# Altium PCB Pleiades_PP.PcbDoc (part 12 of 15)
Units mil, origin at the board's own origin, x right, y up, seen from the top; angles counter-clockwise.
Board outline 12244.09 x 4515.28 mil, 12 copper layers (TOP, GND1, IN1, GND2, POW1, GND3, POW2, GND4, GND5, IN2, GND6, BOT), stack 63.546 mil thick; 1447 components, 738 nets, 4532 pads, 3316 vias.
Unrouted connection lines stored in the file: 499.
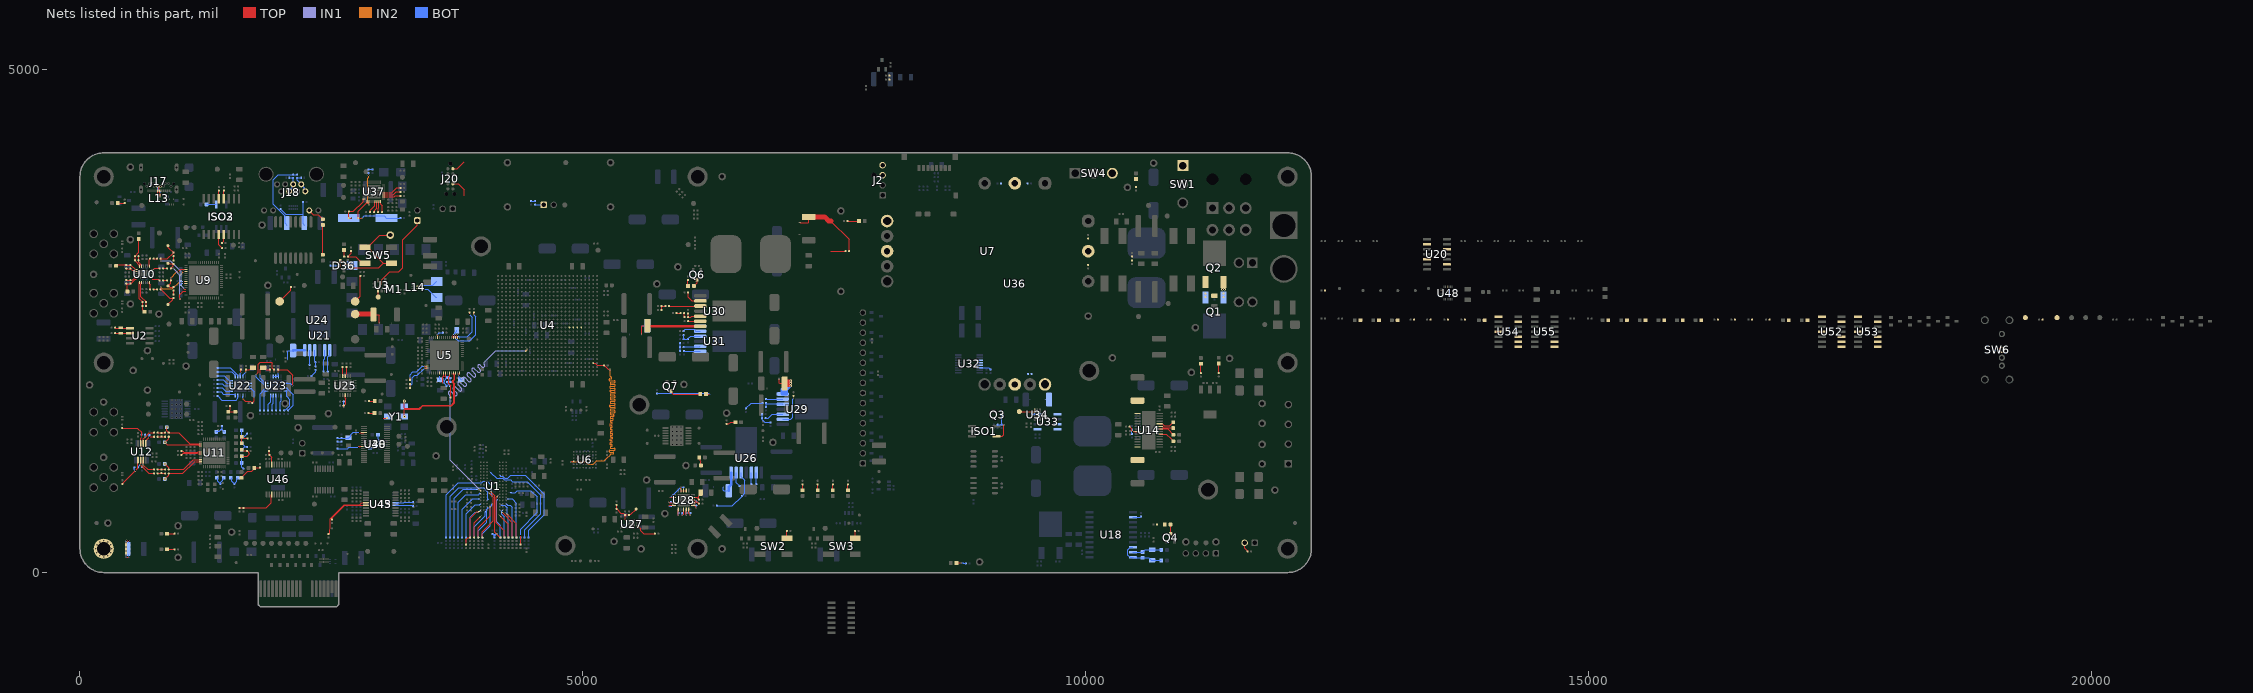
[diagram p22: the nets of this part, all layers, seen from the top]

## Via types
v1: diameter 12/18/18/18/18/18/18/18/18/18/18/12 (per signal layer), hole 6, TOP to BOT, 2739 vias
v2: diameter 20, hole 10, TOP to BOT, 363 vias
v3: diameter 19.68, hole 7.87, TOP to BOT, 110 vias
v4: diameter 40, hole 20, TOP to BOT, 36 vias
v5: diameter 25, hole 12, TOP to BOT, 32 vias
v6: diameter 22, hole 12, TOP to BOT, 27 vias
v7: diameter 19.68, hole 11.81, TOP to BOT, 9 vias

## Nets (pads, with @x,y where several pads share a name; then routed paths per layer and width w, separated by ;. In a path a pad name is that pad's centre, name@x,y a point inside that pad or via, vN(x,y) a via of type N, cw(c..) or ccw(c..) an arc to the next point about the centre after c; other vN are vias at no path point) (continued)
NetC4_1: C4.1 MT5.1 R10.1 R11.1 R12.1 | length 266.5
  TOP w8.89: R12.1@457.5,193.53 R11.1@457.5,235 R10.1@457.5,275
  TOP w10: v1(457.5,171.03) R12.1@457.5,193.53 ; R10.1@457.5,275 v1(457.5,297.5) ; v1(460,152.5) v1(485,152.5) ; v1(460,317.5) v1(485,317.5)
  BOT w10: v1(460,152.5) C4.1@460,175 ; C4.1@460,295 v1(460,317.5) ; v1(485,152.5) C4.1@485,175 ; C4.1@485,295 v1(485,317.5)
  other v1: 457.5,214.26 457.5,255
  other v2: 236.22,156.22 196.22,166.94 276.22,166.94 166.94,196.22 305.5,196.22 156.22,236.22 316.22,236.22 167.19,276.33 305.5,276.22 196.22,305.5 276.22,305.5 236.22,316.22
NetC93_1: C93.1 R37.2 R42.2 | length 130.4
  BOT w10: 4118.36,364.14 4109.18,373.32 ; C93.1@4120,347.5 4120,362.5 4130,372.5 ; 4109.18,373.32 R42.2@4100,382.5 R37.2@4140,382.5 4130,372.5 ; 4109.18,373.32 4129.18,373.32 4130,372.5
NetC99_1: C99.1 U2.1 X1.1 | length 147.1
  TOP w10: C99.1@350,2435 355,2430 U2.1@495,2430
NetC103_1: C103.1 U2.2 X1.2 | length 145
  TOP w10: C103.1@350,2380 U2.2@495,2380
NetC150_1: C150.1 R72.1 U5.40 | length 212.7
  TOP w10: v1(3610,1880) 3610,1880.54 3608,1882.54 3608,1941.67 3608.47,1942.14 3608.47,1946.4 3615.14,1953.07 U5.40@3615.14,1973.07
  BOT w10: R72.1@3645,1855 3620.38,1879.62 3610.38,1879.62 v1(3610,1880) 3626.44,1896.44 3626.44,1913.94 C150.1@3647.5,1935
NetC150_2: C150.2 C151.2 U5.41 | length 148.7
  TOP w10: v1(3625.5,1939.38) 3625.5,1939.93 3629.5,1943.93 3629.5,1945.38 3634.5,1950.38 U5.41@3634.5,1973.07
  BOT w10: v1(3625.5,1939.38) 3625.88,1939.77 3625.88,1941.77 3637.12,1953 3664.5,1953 C150.2@3682.5,1935 C151.2@3682.5,1895
NetC151_1: C151.1 R72.2 | length 53.5
  BOT w10: C151.1@3647.5,1895 3661.15,1881.35 3661.15,1873.85 R72.2@3680,1855
NetC158_1: C158.1 U5.38 | length 67.6
  TOP w10: v1(3575.79,1961.32) U5.38@3575.79,1983.82
  BOT w10: v1(3575.79,1961.32) 3575.79,1922.21 C158.1@3580,1918
NetC159_1: C159.1 U5.4 | length 87.7
  TOP w10: U5.4@3713.58,2336.18 v1(3713.58,2358.68)
  BOT w10: v1(3713.58,2358.68) 3713.97,2359.06 3713.97,2366.97 3747,2400 C159.1@3747,2410
NetC160_1: C160.1 U5.48 | length 73.2
  TOP w10: v1(3772.64,1961.32) U5.48@3772.64,1983.82
  BOT w10: v1(3772.64,1961.32) 3772.64,1934.96 3789.6,1918 C160.1@3790,1918
NetC227_1: C227.1 Q2.1 R85.1
NetC235_2: C235.2 U9.25 | length 49.7
  TOP w6: v1(1027.5,2894.69) U9.25@1050,2894.69
  BOT w6: C235.2@1002.5,2900 1006.67,2895.83 1026.35,2895.83 v1(1027.5,2894.69)
NetC236_2: C236.2 U9.26 | length 53.7
  TOP w6: v1(1027.5,2875) U9.26@1050,2875
  BOT w6: C236.2@1002.5,2860 1017.4,2874.9 1027.4,2874.9 v1(1027.5,2875)
NetC238_1: C238.1 R96.2 TP48.1 U9.29 | length 721.6
  TOP w6: v1(802.5,3097.5) R96.2@802.5,3120 870,3120 C238.1@930,3180 879.59,3230.41 879.59,3245.41 TP48.1@875,3250 ; v1(1031.32,2816.42) U9.29@1053.82,2816.42
  IN1 w6: v1(802.5,3097.5) 897.5,3097.5 1006.67,2988.33 1006.67,2851.36 1031.32,2826.71 v1(1031.32,2816.42)
NetC238_2: C238.2 C239.1 | length 42.5
  TOP w6: C239.1@930,3102.5 C238.2@930,3145
NetC239_2: C239.2 R102.2 TP51.1 U9.30 | length 581.3
  TOP w6: TP51.1@875,3075 878.75,3071.25 926.25,3071.25 C239.2@930,3067.5 926,3063.5 926,3048.5 R102.2@902.5,3025 v1(925,3025) ; v1(993.5,2720.76) 993.5,2761.16 1029.07,2796.73 U9.30@1053.82,2796.73
  IN1 w6: v1@925.92,3024.08 993.5,2956.5 v1(993.5,2720.76)
NetC254_1: C254.1 R107.2 TP52.1 U9.19 | length 335.9
  TOP w6: v1(902.5,2927.5) R107.2@902.5,2905 902.5,2877.5 TP52.1@875,2850 881.49,2850 893.99,2837.5 C254.1@930,2837.5 ; v1(978.3,2990.65) 1000.91,3013.27 U9.19@1053.82,3013.27
  IN2 w6: v1(902.5,2927.5) 963.36,2988.36 976,2988.36 v1(978.3,2990.65)
NetC254_2: C254.2 C255.1 | length 40.1
  TOP w6: C255.1@929.69,2762.5 929.84,2762.66 929.84,2802.34 C254.2@930,2802.5
NetC255_2: C255.2 R113.2 TP54.1 U9.20 | length 636.3
  TOP w6: v1(802.5,2837.5) R113.2@802.5,2815 890,2727.5 C255.2@929.69,2727.5 923.92,2721.73 923.92,2713.92 TP54.1@875,2665 ; v1(1031.32,2993.58) U9.20@1053.82,2993.58
  IN2 w6: v1(802.5,2837.5) 820,2820 917.15,2820 990.64,2893.5 990.64,2952.91 v1(1031.32,2993.58)
NetC291_1: C291.1 L9.2 R115.1 | length 75
  TOP w6: R115.1@772.5,985 L9.2@847.5,985
NetC291_2: C291.2 L10.2 R117.1 | length 75
  TOP w6: R117.1@772.5,1025 L10.2@847.5,1025
NetC292_1: C292.1 L11.2 R122.1 | length 75
  TOP w5.95: R122.1@772.5,1390 L11.2@847.5,1390
NetC292_2: C292.2 L12.2 R124.1 | length 75
  TOP w5.95: R124.1@772.5,1350 L12.2@847.5,1350
NetC293_1: C293.1 R130.2 R131.2 | length 186.7
  TOP w4.33: R130.2@1608.54,1155 1665.01,1155 1684.46,1174.44 1684.46,1188.04 1662.31,1210.19 1618.35,1210.19 R131.2@1608.54,1220
NetC294_1: C294.1 R133.2 R136.2 | length 115.9
  BOT w4.33: R133.2@1608.54,1220 1638.54,1250 1643.54,1250 ; R136.2@1608.54,1285 1643.54,1250 ; C294.1@1662.5,1250 1643.54,1250
NetC295_1: C295.1 R134.2 R137.2 | length 226.9
  TOP w10: R134.2@1605,941.46 1668.54,1005 1708.54,1005 1746.04,1042.5 C295.1@1790,1042.5
NetC296_1: C296.1 R135.2 R138.2 | length 131.4
  BOT w4.33: R135.2@1608.54,1415 R138.2@1608.54,1350 1632.5,1350 C296.1@1662.5,1380
NetC297_1: C297.1 R139.2 R142.2 | length 146.9
  BOT w10: R139.2@1360,941.46 1369.74,931.71 1369.74,907.76 C297.1@1395,882.5 1397.89,885.39 1397.89,897.89 1418.45,918.45 1418.45,929.9 R142.2@1430,941.46
NetC298_1: C298.1 R140.2 R143.2 | length 129.3
  BOT w10: R143.2@1608.54,1155 R140.2@1608.54,1090 1608.54,1048.96 C298.1@1625,1032.5
NetC299_1: C299.1 R141.2 R144.2 | length 133.7
  TOP w4.33: C299.1@1492.5,1655 1492.5,1618.62 1475,1601.12 R144.2@1475,1598.54 R141.2@1545,1598.54
NetC300_1: C300.1 U11.42 | length 197.3
  TOP w5: C300.1@1007.5,1210 1013.01,1204.49 1025,1204.49 1032.49,1197 1170.95,1197 1173.79,1199.84 U11.42@1198.19,1199.84
NetC301_1: C301.1 R146.2 R149.2 | length 146.9
  BOT w10: R146.2@1500,941.46 1509.74,931.71 1509.74,907.76 C301.1@1535,882.5 1560.26,907.76 1560.26,931.71 R149.2@1570,941.46
NetC302_1: C302.1 R147.2 R150.2 | length 130.2
  TOP w4.33: R147.2@1608.54,1285 R150.2@1608.54,1350 1611.12,1350 1626.12,1335 C302.1@1667.5,1335
NetC303_1: C303.1 R148.2 R151.2 | length 159.8
  BOT w10: R151.2@1355,1398.54 1359.3,1402.84 1382.84,1402.84 1412.5,1432.5 ; R148.2@1435,1398.54 1435,1399.58 1412.5,1422.08 1412.5,1432.5 ; 1412.5,1432.5 1412.5,1450 C303.1@1412.5,1455 1412.5,1432.5
NetC340_1: C340.1 R152.2 R155.1 U14.8 | length 160.2
  TOP w10: C340.1@10437.5,1450 10458.76,1428.74 10458.76,1411.78 10465.98,1404.56 v1(10465.98,1404.02) 10466.1,1403.9 10486.98,1403.9 10488.68,1402.2 U14.8@10514.76,1402.2
  BOT w10: R152.2@10460,1377.5 v1@10460,1409.46 ; R155.1@10460,1422.5 10460.54,1421.96 10460.54,1409.46 v1(10465.98,1404.02)
NetC342_1: C342.1 U14.22 | length 160.2
  TOP w10: U14.22@10735.24,1427.8 10813.7,1427.8 C342.1@10871.5,1370
NetC343_1: C343.1 U14.23 | length 141.8
  TOP w10: U14.23@10735.24,1453.39 10760.64,1453.39 10772.23,1441.8 10864.7,1441.8 C343.1@10870,1436.5
NetC343_2: C343.2 U14.24 | length 156.1
  TOP w10: U14.24@10735.24,1478.98 10760.64,1478.98 10779.11,1460.5 10837,1460.5 C343.2@10870,1493.5
NetC345_1: C345.1 U14.20 | length 167.5
  TOP w10: U14.20@10735.24,1376.61 10802.49,1376.61 10843.5,1335.6 10843.5,1333 C345.1@10871.5,1305
NetC361_1: C361.1 C362.1 FB3.1 U18.19 | length 296.2
  BOT w12: U18.19@10468.06,200 10469.81,201.75 10563.25,201.75 C361.1@10565,203.5 10589.5,228 C362.1@10660,228 10661.5,226.5 10749.96,226.5 FB3.1@10751.46,225
NetC361_2: C361.2 C362.2 FB4.1 U18.18 U18.20 | length 468.6
  BOT w12: U18.18@10468.06,250 10440.56,250 10419.06,228.5 10419.06,171.5 10440.56,150 U18.20@10468.06,150 10469.81,148.25 10563.25,148.25 C361.2@10565,146.5 10625.5,146.5 10650,122 C362.2@10660,122 10661,121 10750.46,121 FB4.1@10751.46,120
NetC398_1: C398.1 U21.6 | length 144.9
  BOT w12: C398.1@2283.49,2064.91 U21.6@2283.49,2209.81
NetC400_1: C400.1 C401.1 U22.14 | length 158.3
  TOP w10: v1(1650,1995) C401.1@1650,2017.5 1690.23,2017.5 1709.73,2037 C400.1@1720,2037
  BOT w10: U22.14@1620.59,1949.49 1620.59,1962.28 1649.62,1991.31 1649.62,1994.62 v1(1650,1995)
NetC403_1: C403.1 C404.1 U23.14 | length 307.7
  TOP w10: v1(1790,1972) 1790,2007 1793.31,2010.31 1793.31,2020.04 1810.27,2037 C403.1@1820,2037 1830.27,2037 1849.77,2017.5 C404.1@1890,2017.5 v1(1890,1995)
  BOT w10: v1(1790,1972) 1790,1932.52 1840.7,1881.82 U23.14@1853.49,1881.82
NetC412_2: C412.2 R218.2 R220.1 U25.3 | length 197
  TOP w10: v1(2622.5,1637.5) C412.2@2622.5,1660 2640.5,1678 2640.5,1728.54 2636.52,1732.53 U25.3@2636.52,1762.93
  BOT w5.95: R218.2@2622.5,1660 R220.1@2622.5,1700
  BOT w10: v1(2622.5,1637.5) R218.2@2622.5,1660
NetC413_1: C413.1 U25.14 | length 91
  TOP w10: C413.1@2610,2042.5 2610.46,2042.04 2610.46,1952.37 U25.14@2610.92,1951.91
NetC429_1: C429.1 U26.6 | length 145.9
  BOT w10: U26.6@6525,993.21 6525,893.31 C429.1@6557.5,860.81
NetC432_1: C432.1 C433.1 R229.2 R230.1 TP88.1 U27.1 | length 344.7
  TOP w8.89: R230.1@5335.12,673.27 R229.2@5335.12,633.27 5376.56,591.82 5401.56,591.82 C433.1@5420.12,573.27
  TOP w10: U27.1@5430,520.14 5423.46,520.14 5420.12,523.49 C433.1@5420.12,573.27 C432.1@5460.12,573.27 5465.12,578.27 5477.62,578.27 TP88.1@5530.12,630.77
NetC456_1: C456.1 C457.1 U28.14 | length 143.6
  TOP w10: U28.14@6095.67,746.24 6131.4,746.24 C457.1@6152.5,725.14 6152.5,765.37 6172,784.87 C456.1@6172,795.14
NetC458_1: C458.1 U29.6 | length 164.9
  BOT w10: C458.1@6822.5,1725 U29.6@6987.4,1725
NetC459_1: C459.1 U30.6 | length 119.9
  TOP w10: C459.1@6047.5,2500 U30.6@6167.4,2500
NetC460_1: C460.1 U31.6 | length 179.9
  BOT w10: C460.1@6002.5,2400 6007.5,2405 6007.5,2406.54 6017.96,2417 6105.65,2417 6122.65,2400 U31.6@6167.4,2400
NetC503_1: C503.1 D36.2 R282.2 R285.2 SW5.1 SW5.4 TP109.1 | length 1268.6
  TOP w10: v1(2570.77,3030) 2588,3047.23 D36.2@2588,3096 2614.28,3096 2680.28,3030 2969.92,3030 3016.18,3076.26 ; SW5.1@2832.13,3233.74 SW5.1@2858.7,3233.74 ; TP109.1@3095,3355 2979.96,3355 SW5.1@2858.7,3233.74 ; SW5.4@3097.87,3076.26 3016.18,3076.26 ; SW5.1@2858.7,3233.74 3016.18,3076.26
  BOT w10: C503.1@2490,3052.5 R282.2@2530,3052.5 R285.2@2570.77,3052.5 v1(2570.77,3030)
NetC507_1: C507.1 R302.2 R303.2 | length 768.5
  BOT w10: C507.1@2056,3455 2039.7,3471.3 2039.7,3540 1919.49,3660.21 1919.49,3904.49 1972.5,3957.5 R302.2@2120,3957.5 R303.2@2160,3957.5
NetC508_1: C508.1 R304.2 R305.2 | length 479
  BOT w10: R305.2@1995,3612.5 2047.5,3560 2217.5,3560 ; R304.2@2217.5,3685 2217.5,3560 ; C508.1@2229,3455 2217.5,3466.5 2217.5,3560
NetC509_1: C509.1 TP113.1 U37.8 X2.2 | length 314.8
  TOP w10: v1(2700,3525) TP113.1@2672.99,3525 2672.75,3525.25 2672.75,3589.75 C509.1@2672.5,3590 2719.04,3590 2814.25,3685.21 2814.25,3715.87 2814.33,3715.94 U37.8@2825,3715.94
NetC510_1: C510.1 TP112.1 U37.9 X2.1 | length 639.3
  TOP w10: v1@2805.38,3524.62 v1(2805,3525) TP112.1@2765,3525 2765,3590.16 2852.56,3677.72 U37.9@2852.56,3688.39
  BOT w10: v1(2805,3525) 2825,3545 3027.01,3545 X2.1@3047.01,3525
  BOT w12: X2.1@3047.01,3525 C510.1@3187.5,3525
NetC530_1: C530.1 R311.2 R313.1 U40.4 | length 297.2
  TOP w10: v1(2778.19,1392.09) U40.4@2822.28,1392.09
  BOT w10: R311.2@2560,1337.5 R313.1@2600,1337.5 C530.1@2667.9,1337.5 ; C530.1@2669.49,1339.09 C530.1@2667.9,1337.5 ; v1(2778.19,1392.09) 2777.65,1392.09 2775.24,1394.5 2715.46,1394.5 2690.77,1369.81 2690.77,1356.05 2672.21,1337.5 C530.1@2667.9,1337.5
NetC537_2: C537.2 U43.5 | length 586.6
  TOP w4.33: C537.2@2470,375.49 2470,381.2 2481.67,392.87 2481.67,427.03 2489.84,435.2 2489.84,536.71 2628.13,675 2781.87,675 2799.67,692.8 U43.5@2842.36,692.8
NetC538_2: C538.2 U43.6 | length 403.4
  TOP w4.33: C538.2@2505,527.5 2505,541.51 2630.69,667.2 U43.6@2842.36,667.2
NetC615_1: C615.1 U48.10
NetD4_1: D4.1 R92.2
NetD5_1: D5.1 R93.2 | length 94.6
  TOP w10: D5.1@8715,95 v1(8760,95)
  BOT w10: v1(8760,95) 8781.44,95 8782.5,93.94 8803.56,93.94 R93.2@8807.5,90
NetD18_1: D18.1 R167.2
NetD18_2: D18.2 Q4.3 | length 93.2
  TOP w12: D18.2@10844.24,476.93 10844.24,384.81 Q4.3@10845,384.06
NetD20_1: D20.1 R172.2 | length 59
  TOP w10: D20.1@7185,818.54 R172.2@7185,877.5
NetD21_1: D21.1 R173.2 | length 59
  TOP w10: D21.1@7335,818.54 R173.2@7335,877.5
NetD23_1: D23.1 R183.2 | length 59
  TOP w10: D23.1@7485,818.54 R183.2@7485,877.5
NetD24_1: D24.1 R184.2 | length 59
  TOP w10: D24.1@7635,818.54 R184.2@7635,877.5
NetD33_1: D33.1 R274.2 | length 95.1
  TOP w10: R274.2@11322.7,1982.78 D33.1@11322.7,2077.91
NetD34_1: D34.1 R275.2 | length 94
  TOP w10: R275.2@11145,1982.5 D34.1@11145,2076.46
NetD40_1: D40.1 R286.2 | length 69.2
  TOP w10: D40.1@376.12,3673.31 376.92,3672.5 R286.2@445,3672.5
NetD41_1: D41.1 R287.2 | length 67.5
  TOP w10: D41.1@2625,3206.46 2627.5,3203.96 R287.2@2627.5,3140
NetD47_1: D47.1 R318.1 | length 58.5
  TOP w10: R318.1@2872,1705 D47.1@2930.46,1705
NetD48_1: D48.1 R315.2 | length 114
  TOP w10: R315.2@7632.5,3495 D48.1@7746.46,3495
NetD49_1: D49.1 R319.2 | length 61
  TOP w10: R319.2@2867.5,1585 D49.1@2928.46,1585
NetD50_1: D50.1 R326.2 | length 58.1
  TOP w10: R326.2@6045,2907.5 6045,2851.46 D50.1@6046.46,2850
NetD50_2: D50.2 Q6.3 | length 77
  TOP w10: D50.2@6103.54,2850 6135,2881.46 Q6.3@6135,2914
NetD51_1: D51.1 R324.2 | length 93.7
  TOP w10: R324.2@6430,1477.5 6452.5,1477.5 6470,1495 D51.1@6516.46,1495
NetD52_1: D52.1 R331.2 | length 561.2
  TOP w10: D52.1@6223.54,1775 v1(6260,1775)
  BOT w10: R331.2@5737.95,1781.43 6253.03,1781.43 6259.46,1775 v1(6260,1775)
NetD52_2: D52.2 Q7.3 | length 307
  TOP w10: Q7.3@5875,1804 5875,1798 5898,1775 D52.2@6166.46,1775
NetD53_1: D53.1 R329.2 | length 87.1
  TOP w10: D53.1@6156.46,1145 6165,1136.46 6165,1110 6173.54,1101.46 R329.2@6173.54,1065
NetD56_1: D56.1 R336.2 | length 74
  TOP w12: D56.1@866.04,231.12 866.16,231 R336.2@940,231
NetD57_1: D57.1 R337.2 | length 74
  TOP w12: D57.1@866.04,386 R337.2@940,386
NetISO1_1: ISO1.1 Q3.3 R160.1 R161.1 | length 341.4
  TOP w10: ISO1.1@9112.5,1355 9170,1355 9186.87,1371.87 v1(9186.87,1470)
  BOT w10: R160.1@9125,1470 R161.1@9164.37,1470 ; Q3.3@9164.37,1570 R161.1@9164.37,1470 ; v1(9186.87,1470) R161.1@9164.37,1470
NetISO2_4: ISO2.4 R278.2 | length 82
  TOP w10: ISO2.4@1430,3716.5 R278.2@1430,3798.48
NetISO2_5: ISO2.5 R280.2 | length 81
  TOP w10: ISO2.5@1380,3716.5 R280.2@1380,3797.5
NetISO2_12: ISO2.12 R279.1 | length 148.5
  TOP w6: ISO2.12@1380,3360 1380,3257.5 R279.1@1412.5,3225
NetISO2_13: ISO2.13 R281.1 | length 92.2
  TOP w6: R281.1@1412.5,3275 1430,3292.5 ISO2.13@1430,3360
NetISO3_1: ISO3.1 R284.2 | length 96.8
  BOT w10: R284.2@1258.54,3660 1354.25,3660 ISO3.1@1355,3660.75
NetJ1_1: J1.1 R50.1 | length 86
  BOT w12: R50.1@4525,3657.5 4607.5,3657.5 J1.1@4610,3655
NetJ2_3: J2.3 R54.2
NetJ2_4: J2.4 R55.2
NetJ4_1: J4.1 TP11.1 U3.1 | length 977.3
  TOP w10: TP11.1@2965,2740 2964,2741 2964,2803 U3.1@2963,2804 2969,2810 2969,2839 3000,2870 3000,2912.31 3077.69,2990 3170,2990 3210,3030 3210,3310 3355,3455 J4.1@3355,3500
NetJ13_2: J13.2 R169.2 | length 97.4
  TOP w3: J13.2@11580,295 11580,240 R169.2@11610,210
NetJ17_A6: J17.A6 J17.B6 L13.1 | length 135.6
  TOP w10: J17.A6@794.57,3796 794.57,3768.9 795.83,3767.65 v1(795.83,3767.11) L13.1@795.83,3744.61
  BOT w10: J17.B6@768.98,3839.7 772.05,3836.64 772.05,3811.87 795.81,3788.11 v1(795.83,3767.11)
NetJ17_A7: J17.A7 J17.B7 L13.4 | length 106
  TOP w10: L13.4@774.17,3744.61 v1(774.17,3767.11) 774.53,3767.46 774.53,3795.64 J17.A7@774.89,3796 776.78,3797.89 776.78,3814.97 800.48,3838.67 J17.B7@800.48,3839.7
NetJ18_11: J18.11 R293.1 | length 170.8
  TOP w10: J18.11@2280,3600 2321.49,3558.51 2370.04,3558.51 R293.1@2415,3513.54
NetJ20_7: J20.7 TP179.1 | length 195.1
  TOP w10: J20.7@3710,3865 3732.5,3865 3760.44,3865 3818.36,3807.08 3818.36,3746.64 3820,3745
NetJ20_10: J20.10 TP180.1 | length 139
  TOP w10: J20.10@3710,4015 3750,4015 3820,4085
NetL5_1: L5.1 U10.19 | length 77.7
  TOP w6: U10.19@689.21,3045.71 689.21,3110.09 697.5,3118.38 L5.1@697.5,3120
NetL5_2: L5.2 R96.1 | length 35
  TOP w6: L5.2@732.5,3120 R96.1@767.5,3120
NetL6_1: L6.1 U10.18 | length 76.3
  TOP w6: U10.18@720.71,3014.21 732.52,3014.21 743.31,3025 L6.1@792.5,3025
NetL6_2: L6.2 R102.1 | length 40
  TOP w6: L6.2@827.5,3025 R102.1@867.5,3025
NetL7_1: L7.1 U10.13 | length 76.3
  TOP w6: U10.13@720.71,2915.79 780.09,2915.79 790.88,2905 L7.1@792.5,2905
NetL7_2: L7.2 R107.1 | length 40
  TOP w6: L7.2@827.5,2905 R107.1@867.5,2905
NetL8_1: L8.1 U10.12 | length 72.7
  TOP w6: U10.12@689.21,2884.29 689.21,2871.97 697.5,2863.69 L8.1@697.5,2815
NetL8_2: L8.2 R113.1 | length 35
  TOP w6: L8.2@732.5,2815 R113.1@767.5,2815
NetL9_1: L9.1 R119.1 TP56.1 U11.47 | length 434.4
  TOP w6: v1(845,930) 882.5,967.5 L9.1@882.5,985 1022.73,985 1139.15,1101.42 U11.47@1198.19,1101.42
NetL10_1: L10.1 R118.1 TP55.1 U11.46 | length 426
  TOP w6: v1(845,1080) 882.5,1042.5 L10.1@882.5,1025 1031.81,1025 1127.91,1121.1 U11.46@1198.19,1121.1
NetL11_1: L11.1 R126.1 TP60.1 U11.38 | length 424.1
  TOP w5.95: v1(865,1445) 865,1407.5 L11.1@882.5,1390 981.74,1390 1092.78,1278.95 1197.82,1278.95 U11.38@1198.19,1278.58
NetL12_1: L12.1 R125.1 TP59.1 U11.39 | length 438.7
  TOP w5.95: L12.1@882.5,1350 882.5,1332.5 v1(845,1295) 870,1270 1175.87,1270 1186.97,1258.9 U11.39@1198.19,1258.9
NetL14_2: L14.2 M1.16 | length 207.5
  TOP w3.74: L14.2@3359.61,2845.83 3380.83,2845.83 v1(3390,2855)
  BOT w3.74: v1(3390,2855) 3508.5,2855 M1.16@3547.24,2893.74
NetL14_3: L14.3 M1.17 | length 224.1
  TOP w3.74: L14.3@3359.61,2824.17 3380.83,2824.17 v1(3390,2815)
  BOT w3.74: v1(3390,2815) 3458.66,2815 3537.4,2736.26 M1.17@3547.24,2736.26
NetM1_9: M1.9 R277.1 | length 88.3
  BOT w10: R277.1@2615,3052.5 2701.48,3052.5 M1.9@2702.76,3051.22
NetNT1_1: NT1.1 R16.1 | length 353.6
  TOP w7.01: R16.1@3960,347.5 3960,445 4078.74,563.74 NT1.1@4078.74,651.95
NetNT2_1: NT2.1 R14.1 R15.1 | length 856.7
  TOP w7.01: R14.1@4380,277.5 4380.07,277.57 4380.07,367.64 v1(4380.15,367.72)
  BOT w7.01: NT2.1@4285.09,795.31 4329.87,795.31 4349.57,815 4481.6,815 4545,751.6 4545,597.5 4380.15,432.65 v1(4380.15,367.72) R15.1@4380.15,347.77
NetNT3_1: NT3.1 R17.1 | length 368.5
  BOT w7.01: NT3.1@4190.57,669.29 4221.18,669.29 4247.65,642.82 4247.65,582.63 4260,570.28 R17.1@4260,347.5
NetNT4_1: NT4.1 R18.1 | length 604.3
  BOT w7.01: R18.1@3760,347.5 3760,698.11 3834.85,772.96 3962.64,772.96 3976.6,786.91 NT4.1@3976.6,787.18
NetNT5_1: NT5.1 R19.1 | length 339.9
  BOT w7.01: R19.1@3960,347.5 3960,415.6 4042.5,498.11 4042.5,626.87 4057.51,641.88 4057.51,643.28 NT5.1@4054.89,645.89
NetNT6_1: NT6.1 R20.1 | length 494.6
  TOP w7.01: NT6.1@4086.39,803.37 4126.01,763.76 4126.01,401.49 R20.1@4180,347.5
NetNT7_1: NT7.1 R21.1 | length 411.8
  BOT w7.01: R21.1@3840,347.5 3840,583.99 3930.21,674.21 3973.42,674.21 NT7.1@3976.6,677.39
NetNT8_1: NT8.1 R22.1 | length 502.4
  TOP w7.01: R22.1@4000,347.5 4000.24,347.74 4000.24,405 4110.24,515 4110.24,579.27 4110.51,579.54 4110.51,747.76 NT8.1@4070.64,787.63
NetNT9_1: NT9.1 R23.1 | length 368
  BOT w7.01: NT9.1@4243.87,677.39 4245.27,677.39 4253.37,669.29 4277.41,669.29 4300,646.7 R23.1@4300,347.5
NetNT10_1: NT10.1 R24.1 | length 1055.3
  BOT w7.01: R24.1@3640,347.5 3640,774.86 3760.14,895 3996.81,895 4011.67,909.86 4048.48,909.86 4094.49,863.85 NT10.1@4094.49,765.37
NetNT11_1: NT11.1 R25.1 | length 915
  BOT w7.01: R25.1@3680,347.5 3680,756.11 3766.17,842.28 4012.31,842.28 4054.89,799.69 4054.89,731.95 4058.08,728.77 4058.08,727.37 NT11.1@4054.89,724.19
NetNT12_1: NT12.1 R26.1 | length 641.6
  BOT w7.01: R26.1@3720,347.5 3720,736.1 3810.67,826.77 NT12.1@3935.41,826.77
NetNT13_1: NT13.1 R27.1 | length 279
  BOT w7.01: NT13.1@4197.07,614.4 4193.89,611.21 4193.89,581.58 4220,555.47 R27.1@4220,347.5
NetNT14_1: NT14.1 R28.1 | length 1074.7
  BOT w7.01: NT14.1@4086.39,992.35 4141.73,937.01 4204.72,937.01 4220.04,921.69 4274.15,921.69 4274.34,921.5 4281.15,921.5 4297.65,905 4445.34,905 4580,770.34 4580,585.32 4420,425.32 R28.1@4420,347.5
NetNT15_1: NT15.1 R29.1 | length 324.3
  BOT w7.01: R29.1@3880,347.5 3880,547.5 3932.5,600 3962.21,600 NT15.1@3976.6,614.4
NetNT16_1: NT16.1 R30.1 | length 1030.6
  BOT w7.01: NT16.1@4180.88,960.85 4184.06,957.67 4205.04,957.67 4225.7,937.01 4254.53,937.01 4284.56,967.04 4427.96,967.04 4615,780 4615,575 4460,420 R30.1@4460,347.5
NetNT17_1: NT17.1 R32.1 | length 275.2
  TOP w7.01: NT17.1@4243.87,582.9 4340,486.77 R32.1@4340,347.5
NetNT18_1: NT18.1 R31.1 R33.1 | length 409.2
  TOP w7.01: R33.1@3840,277.5 3840,332.5 3855,347.5 R31.1@3880,347.5 3880,541.82 3944.48,606.3 NT18.1@3966.91,606.3
NetNT19_1: NT19.1 R34.1 | length 303.4
  BOT w7.01: R34.1@3920,347.5 3920,453.49 4031.5,564.99 NT19.1@4031.5,604.71
NetNT20_1: NT20.1 R35.1 | length 445.8
  TOP w7.01: NT20.1@4149.83,756.13 4149.83,755.81 4140,745.98 4140,495.5 4220,415.5 R35.1@4220,347.5
NetNT21_1: NT21.1 R36.1 | length 245.9
  TOP w7.01: NT21.1@4180.88,560.63 4260,481.51 R36.1@4260,347.5